# Altium PCB 5607.PcbDoc (part 3 of 6)
Units mm, origin at the board's own origin, x right, y up, seen from the top; angles counter-clockwise.
Board outline 240 x 160 mm, 2 copper layers (TopLayer, BottomLayer), stack 1.6 mm thick; 458 components, 316 nets, 1376 pads, 214 vias.
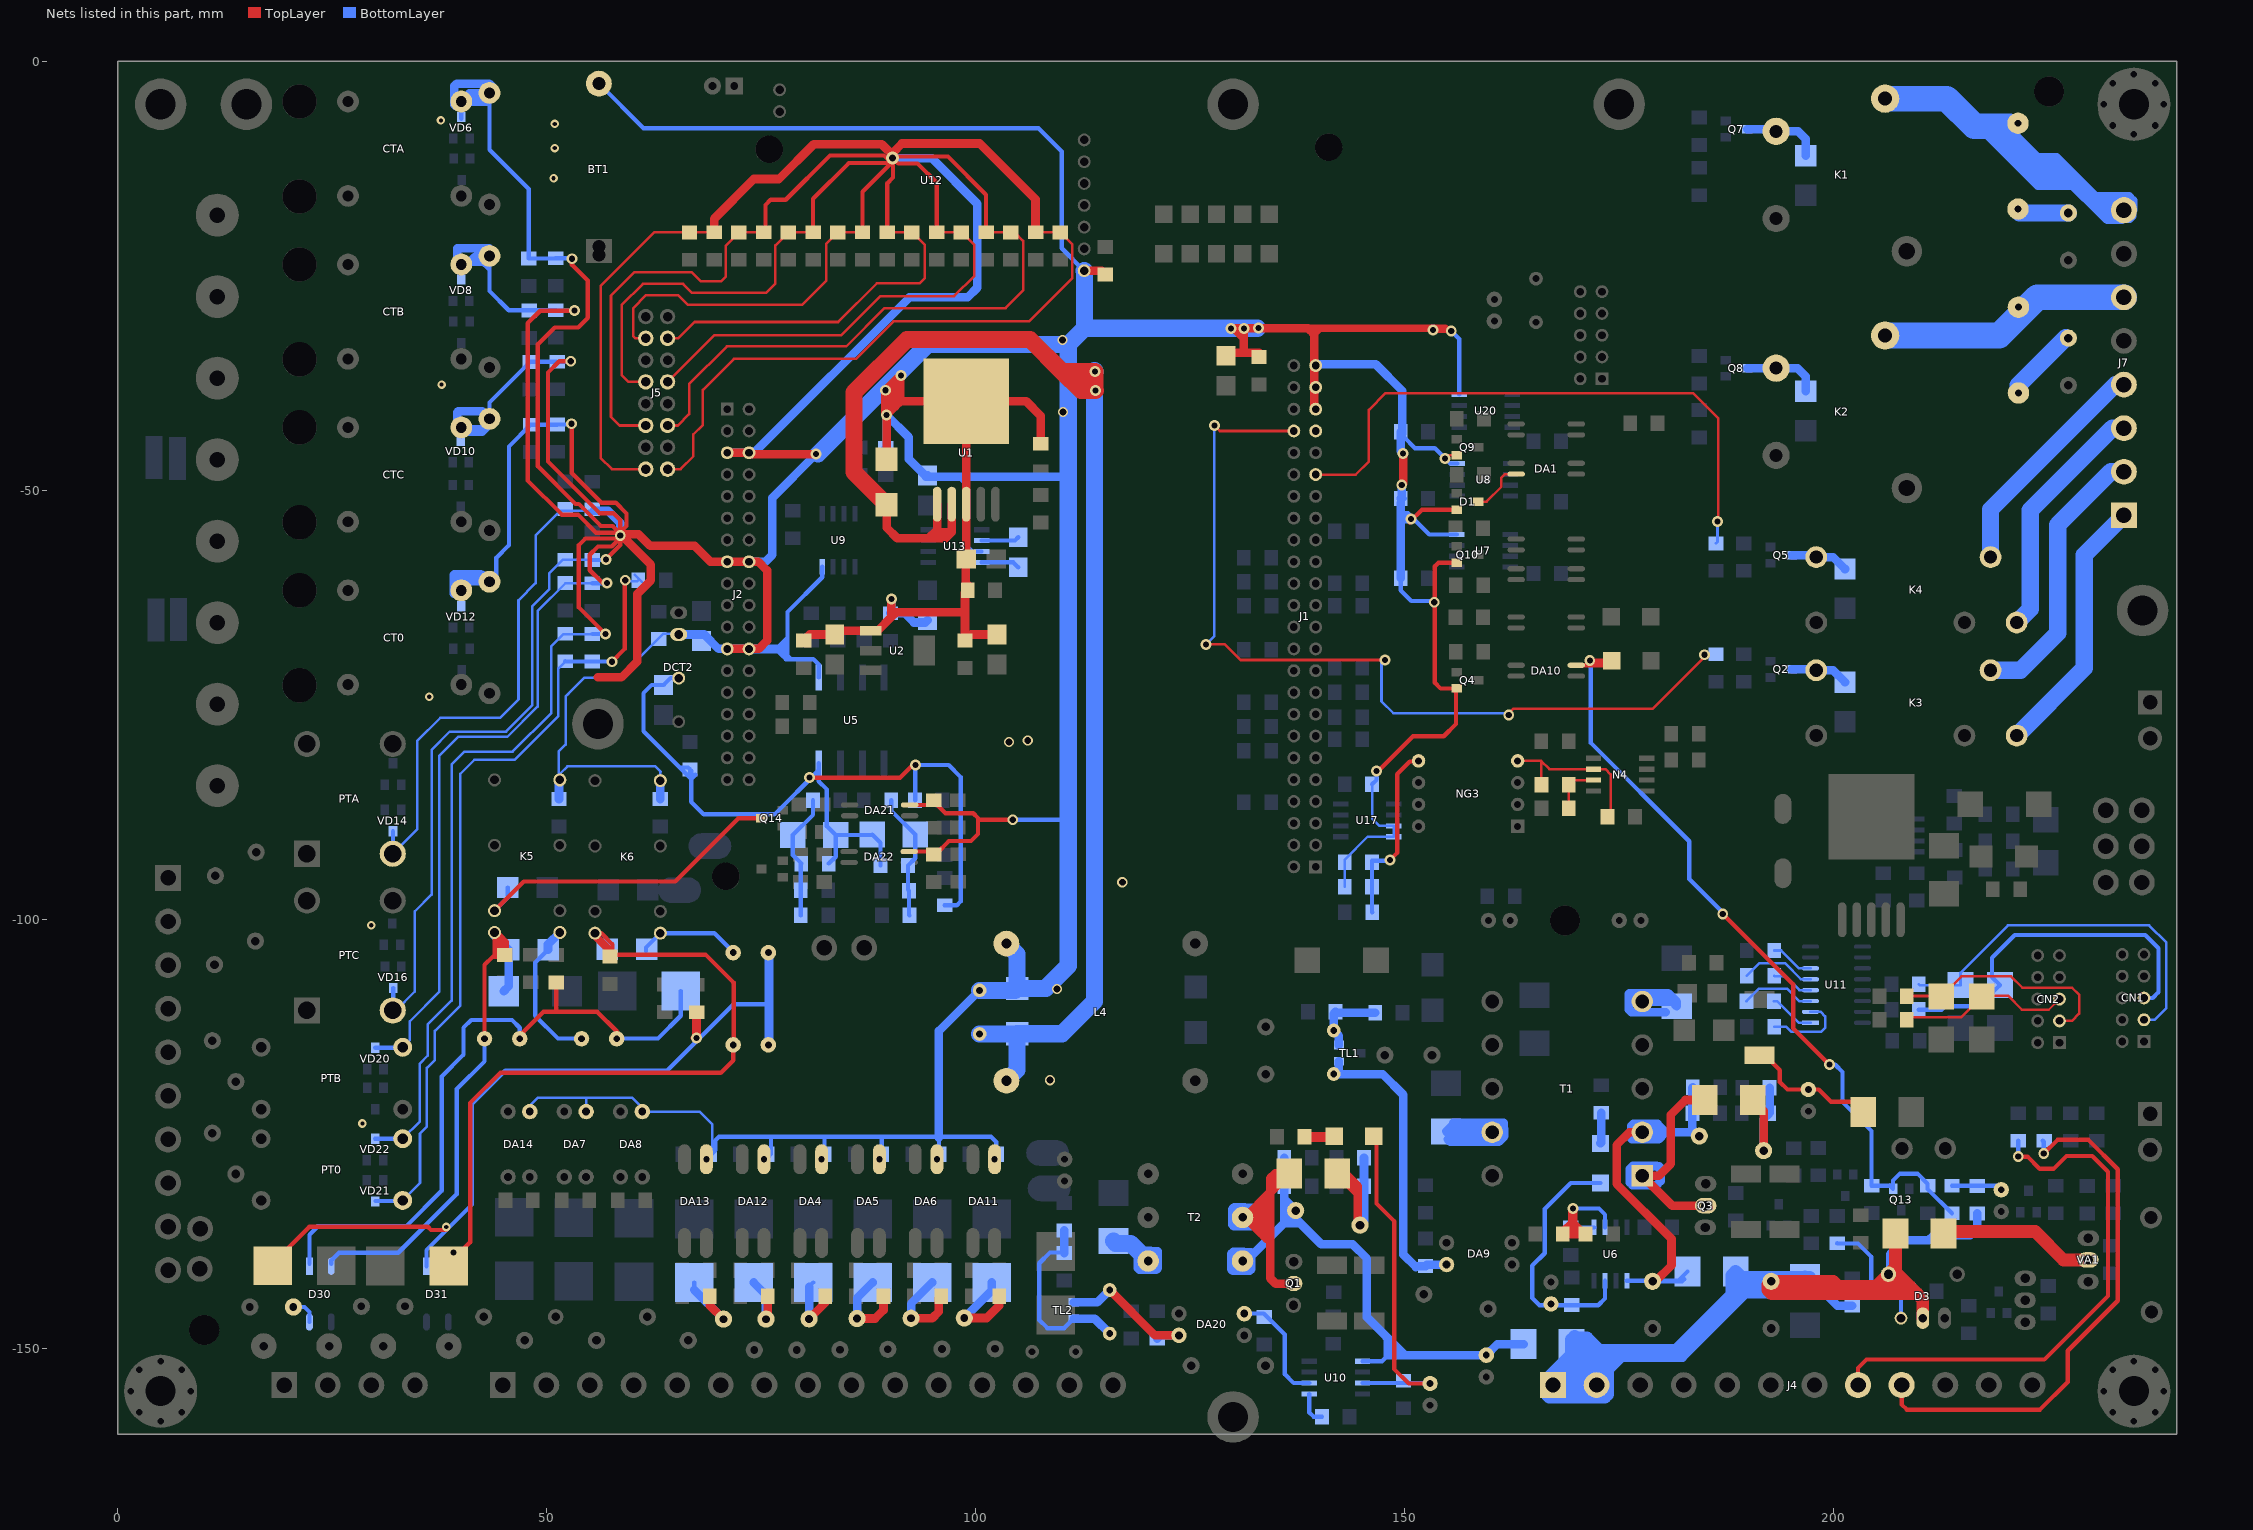
[diagram p3: the nets of this part, all layers, seen from the top]

## Via types
v1: diameter 1.27, hole 0.711, TopLayer to BottomLayer, 195 vias
v2: diameter 1, hole 0.5, TopLayer to BottomLayer, 11 vias
v3: diameter 1.2, hole 0.8, TopLayer to BottomLayer, 7 vias
v4: diameter 1.5, hole 0.8, TopLayer to BottomLayer, 1 vias

## Nets (pads, with @x,y where several pads share a name; then routed paths per layer and width w, separated by ;. In a path a pad name is that pad's centre, name@x,y a point inside that pad or via, vN(x,y) a via of type N, cw(c..) or ccw(c..) an arc to the next point about the centre after c; other vN are vias at no path point) (continued)
GND: BT1.2 C2.1 C3.2 C4.2 C5.1 C9.2 C13.1 C15.1 C16.1 C17.2 C18.2 C22.1 C23.2 C24.1 C25.1 C31.2 C32.1 C33.2 C35.2 C37.2 C38.1 C39.1 C41.2 C43.1 C44.2 C47.2 C49.2 C64.1 C65.2 C66.1 C70.1 C74.2 C75.2 C76.2 C77.2 C86.1 C88.1 C91.1 C95.2 C96.2 C98.2 C99.2 C100.2 C101.2 C102.2 C103.2 C104.2 CT0.2 CTA.2 CTB.2 CTC.2 D1.2 DA4.3 DA5.3 DA6.3 DA7.3 DA8.3 DA11.3 DA12.3 DA13.3 DA14.3 DA21.2 DA22.2 DCT2.1 J1.43 J1.45 J1.47 J2.5 J2.6 J2.15 J2.16 J2.23 J2.24 J5.3 J5.4 J5.7 J5.8 J5.11 J5.12 J5.15 J5.16 K5.8 K6.8 L4.2 PT0.4 PTA.4 PTB.4 PTC.4 Q4.2 Q9.2 Q10.2 R32.1 R43.1 R49.1 R51.1 R94.1 R96.1 R103.1 R107.1 R110.1 R113.1 R114.1 R115.1 R163.1 R172.1 R177.1 R178.1 R179.1 R180.1 R181.1 R182.1 R183.1 U1.3 U2.1 U5.5 U7.4 U8.4 U9.4 U12.1 U13.3 U17.3 U17.4 U20.4 VD6.3 VD8.3 VD10.3 VD12.3 VD14.3 VD16.3 VD20.3 VD22.3 | length 2039.8
  TopLayer w0.3: J5.15@61.544,-47.523 57.607,-47.523 56.29,-46.206 56.29,-26.184 62.56,-19.914 C103.2@69.525,-19.914 ; J5.11@61.544,-42.443 58.496,-42.443 57.49,-41.437 57.49,-27.295 60.198,-24.587 66.929,-24.587 67.996,-25.654 70.307,-25.654 70.875,-25.086 70.875,-21.469 R180.1@72.406,-19.939 75.262,-19.939 C101.2@75.287,-19.914 ; J5.7@61.544,-37.363 59.538,-37.363 58.734,-36.56 58.734,-28.418 61.219,-25.933 65.888,-25.933 66.929,-26.975 75.565,-26.975 76.657,-25.883 76.657,-21.449 R178.1@78.167,-19.939 81.023,-19.939 C99.2@81.048,-19.914 ; J5.3@61.544,-32.283 60.35,-32.283 60.071,-32.004 60.071,-28.778 61.595,-27.254 65.329,-27.254 66.446,-28.372 79.781,-28.372 82.579,-25.574 82.579,-21.264 83.929,-19.914 86.784,-19.914 C31.2@86.809,-19.939 ; J5.16@64.084,-47.523 65.608,-47.523 67.081,-46.05 67.081,-43.485 68.199,-42.367 68.199,-38.278 71.806,-34.671 86.03,-34.671 90.399,-30.302 106.223,-30.302 111.277,-25.248 111.277,-21.361 R183.1@109.855,-19.939 109.83,-19.914 C104.2@106.974,-19.914 ; J5.12@64.084,-42.443 65.278,-42.443 66.599,-41.123 66.599,-37.617 70.993,-33.223 84.912,-33.223 89.383,-28.753 103.48,-28.753 105.537,-26.695 105.537,-20.93 104.521,-19.914 101.238,-19.914 C102.2@101.213,-19.939 ; J5.8@64.084,-37.363 69.545,-31.902 84.353,-31.902 88.9,-27.356 97.485,-27.356 99.847,-24.994 99.847,-21.429 98.332,-19.914 98.307,-19.939 C100.2@95.451,-19.939 ; J5.4@64.084,-32.283 65.329,-32.283 67.234,-30.378 83.972,-30.378 88.468,-25.883 93.447,-25.883 94.082,-25.248 94.082,-21.425 92.571,-19.914 89.715,-19.914 C98.2@89.69,-19.939 ; v1(154.686,-46.304) 155.057,-45.933 Q9.2@156.078,-45.933
  TopLayer w0.5: v1@52.781,-34.976 v1(52.807,-34.95) 51.46,-34.95 50.14,-36.271 50.14,-46.634 56.159,-52.654 57.76,-52.654 58.572,-53.467 58.572,-55.118 58.572,-56.363 v1(56.896,-58.039) ; v1(52.908,-42.24) 52.908,-47.981 56.363,-51.435 58.039,-51.435 59.309,-52.705 59.309,-54.153 v1@58.699,-54.762 ; v1(52.934,-23.012) 52.934,-23.698 54.788,-25.552 54.788,-29.896 53.67,-31.013 50.927,-31.013 48.971,-32.969 48.971,-47.193 53.365,-51.587 53.746,-51.587 56.312,-54.153 57.683,-54.153 58.217,-54.686 58.217,-54.94 55.753,-54.94 53.645,-52.832 51.765,-52.832 47.777,-48.844 47.777,-30.531 49.251,-29.058 v1(53.238,-29.058) ; v1(56.845,-66.751) 53.746,-63.652 53.746,-56.363 54.508,-55.601 v1@58.293,-55.601 ; v1(57.023,-60.808) 56.972,-60.757 56.464,-60.757 55.016,-59.309 55.016,-57.506 55.982,-56.54 57.582,-56.54 58.75,-55.372 v1@58.75,-54.991 ; C101.2@75.287,-19.914 75.489,-19.712 75.489,-16.739 76.098,-16.129 77.851,-16.129 83.007,-10.973 89.306,-10.973 90.17,-11.836 85.217,-11.836 81.048,-16.005 C99.2@81.048,-19.914 ; C31.2@86.809,-19.914 86.809,-15.197 v4@90.373,-11.633 ; C98.2@89.69,-19.914 89.69,-14.221 90.373,-13.538 v4@90.373,-11.633 ; v4@90.335,-11.265 v4@90.348,-11.278 ; v4@90.399,-11.633 v4@90.373,-11.633 ; DA22.2@92.248,-92.1 94.742,-92.1 R172.1@95.098,-92.456 ; DA21.2@92.298,-86.665 94.488,-86.665 94.488,-86.004 95.098,-86.614 95.453,-86.614 96.469,-87.63 99.72,-87.63 100.279,-88.189 100.279,-90.043 99.441,-90.881 96.876,-90.881 R172.1@95.453,-92.304 ; C100.2@95.451,-19.914 95.451,-14.146 93.218,-11.913 90.957,-11.913 v4(90.322,-11.278) v4@90.348,-11.278 ; 100.33,-88.392 v1(104.318,-88.392) ; C102.2@101.213,-19.914 101.213,-15.539 96.774,-11.1 90.526,-11.1 v4@90.348,-11.278 ; J1.47@139.624,-35.46 139.624,-31.877 140.183,-31.318 ; v1(146.71,-82.728) 146.914,-82.728 150.978,-78.664 154.559,-78.664 155.981,-77.241 155.981,-73.528 Q4.2@155.808,-73.355 ; v1@150.558,-53.708 152.009,-52.258 D1.2@156.078,-52.258 ; Q4.2@156.078,-73.086 154.188,-73.086 153.518,-72.415 153.518,-58.852 153.939,-58.43 Q10.2@156.078,-58.43 ; v4@90.348,-11.278 90.373,-11.303 v4@90.373,-11.633 ; 140.183,-31.318 138.963,-31.318 138.125,-31.318 137.922,-31.115 138.125,-30.912 154.788,-30.912 v1@155.194,-31.318 ; 140.183,-31.318 v1(153.289,-31.318) ; v1(153.289,-31.318) 153.391,-31.42 v1@155.296,-31.42 ; v1(153.289,-31.318) v1@155.194,-31.318 ; v1@155.194,-31.318 v1@155.296,-31.42 ; v1@155.194,-31.318 155.321,-31.318 v1(155.423,-31.42) v1@155.296,-31.42
  TopLayer w1: 55.931,-71.802 58.703,-71.802 60.554,-69.952 60.554,-62.078 62.128,-60.503 62.128,-58.649 v1@58.75,-55.27 ; v1@58.572,-55.118 60.706,-55.118 62.052,-56.464 67.234,-56.464 69.09,-58.32 J2.15@71.044,-58.32 J2.16@73.584,-58.32 74.678,-58.32 75.692,-59.334 75.692,-67.513 74.725,-68.48 J2.24@73.584,-68.48 J2.23@71.044,-68.48 ; C103.2@69.525,-19.914 69.525,-18.333 74.143,-13.716 77.064,-13.716 81.128,-9.652 89.052,-9.652 v4@90.5,-11.1 ; J2.5@71.044,-45.62 J2.6@73.584,-45.62 73.735,-45.771 v1(81.382,-45.771) ; C35.2@79.934,-67.513 80.643,-66.805 C18.2@83.566,-66.805 83.817,-66.805 84.24,-66.382 U2.1@87.781,-66.382 88.558,-66.382 90.17,-64.77 ; C95.2@89.611,-46.372 v1(89.611,-41.224) ; v1(90.17,-62.687) 90.17,-64.77 ; v4(90.322,-11.278) 90.322,-10.668 91.415,-9.576 100.482,-9.576 106.974,-16.068 C104.2@106.974,-19.914 ; 90.602,-38.049 90.602,-39.345 ; v1@91.084,-36.855 90.957,-36.855 89.98,-37.833 ; v1(91.288,-36.601) 91.223,-36.666 91.223,-38.724 ; C24.1@99.06,-61.646 98.755,-61.951 98.755,-64.186 ; C24.1@99.06,-61.036 98.859,-60.835 98.859,-57.226 98.904,-57.182 U1.3@98.904,-51.613 98.904,-39.616 U1.3@98.908,-39.613 ; C96.2@102.489,-66.805 99.464,-66.805 C23.2@98.755,-67.513 98.755,-64.186 ; R51.1@107.594,-44.577 107.594,-41.326 105.881,-39.613 U1.3@98.908,-39.613 ; U12.1@112.644,-24.399 114.671,-24.399 C32.1@115.113,-24.841 ; C33.2@128.877,-34.036 C33.2@129.159,-34.318 129.517,-33.96 131.267,-33.96 ; v1(129.769,-31.115) v1@130.099,-31.115 ; C70.1@133.045,-33.96 131.267,-33.96 ; J1.43@139.624,-40.54 139.471,-40.388 139.471,-31.826 138.963,-31.318 138.76,-31.115 137.922,-31.115 v1(131.267,-31.115) ; v1(149.657,-49.378) 149.809,-49.225 v1(149.809,-45.72) ; v1(89.611,-41.224) 89.484,-41.097 v1(89.484,-38.329) 89.98,-37.833 ; v1(89.611,-41.224) 90.602,-40.234 ; 89.98,-37.833 89.98,-39.611 90.157,-39.789 ; 90.157,-39.789 90.208,-39.789 90.602,-39.395 90.602,-39.345 ; 90.157,-39.789 90.602,-40.234 ; 90.157,-39.789 90.602,-39.345 ; 90.17,-64.77 90.729,-64.211 98.73,-64.211 98.755,-64.186 ; 90.602,-40.234 91.223,-39.613 ; 90.602,-39.345 91.223,-38.724 ; 91.223,-39.613 U1.3@98.908,-39.613 ; 91.223,-39.613 91.223,-38.724 ; v1@130.099,-31.115 v1(131.267,-31.115) ; v1@130.099,-31.115 131.267,-32.283 ; 131.267,-33.96 131.267,-32.283 ; 131.267,-32.283 v1(131.267,-31.115)
  BottomLayer w0.3: PTA.4@32.055,-92.353 32.08,-92.327 34.887,-89.521 34.887,-79.221 37.591,-76.517 44.553,-76.517 46.711,-74.359 46.711,-62.828 48.717,-60.821 48.717,-55.27 51.62,-52.368 55.118,-52.368 C74.2@55.296,-52.19 C74.2@55.506,-52.4 ; PTC.4@32.106,-110.565 PTC.4@32.055,-110.615 32.437,-110.615 34.62,-108.433 34.62,-99.085 36.576,-97.129 36.576,-80.238 38.697,-78.117 45.264,-78.117 48.311,-75.071 48.311,-63.525 50.317,-61.519 50.317,-59.639 51.846,-58.11 C75.2@55.296,-58.11 ; PT0.4@33.207,-125.572 PT0.4@33.213,-125.566 35.204,-123.575 35.204,-116.826 36.131,-115.899 36.131,-112.255 38.913,-109.474 38.913,-81.966 40.413,-80.466 46.038,-80.466 50.517,-75.986 50.517,-68.202 51.969,-66.751 C77.2@55.296,-66.751 ; PTB.4@33.213,-114.923 34.036,-114.1 34.036,-111.887 37.49,-108.433 37.49,-80.924 39.675,-78.74 45.401,-78.74 48.946,-75.196 48.946,-64.059 52.174,-60.831 C76.2@55.296,-60.831 ; DA14.3@48.037,-122.256 48.037,-121.711 48.971,-120.777 54.585,-120.777 ; DA7.3@54.59,-122.409 54.585,-122.403 54.585,-120.777 ; K6.8@63.246,-83.829 63.246,-82.804 63.271,-82.779 62.662,-82.169 52.4,-82.169 51.537,-83.033 K5.8@51.537,-83.753 51.384,-83.601 51.384,-80.442 52.197,-79.629 52.197,-74.041 52.502,-73.736 52.502,-73.727 54.397,-71.831 58.471,-71.831 63.602,-66.7 65.278,-66.7 DCT2.1@65.38,-66.802 ; C38.1@69.037,-127.33 69.291,-127.076 69.291,-123.876 67.824,-122.409 DA8.3@61.144,-122.409 61.144,-121.999 59.922,-120.777 54.585,-120.777 ; C37.2@143.027,-96.19 143.027,-93.192 143.002,-93.167 143.002,-93.065 145.694,-90.373 U17.4@148.744,-90.373 U17.3@148.744,-89.103 147.041,-89.103 146.202,-88.265 C16.1@146.202,-84.252 ; C43.1@149.428,-43.104 149.53,-43.205 C43.1@149.733,-43.408
  BottomLayer w0.5: VD22.3@29.997,-125.572 PT0.4@33.207,-125.572 ; VD20.3@30.023,-114.98 33.156,-114.98 PTB.4@33.213,-114.923 ; PTA.4@32.08,-92.327 VD14.3@32.08,-89.744 ; PTC.4@32.106,-110.565 VD16.3@32.106,-108.006 ; 39.192,-60.147 39.548,-59.792 39.573,-59.766 42.44,-59.766 42.847,-60.173 CT0.2@43.326,-60.652 ; CT0.2@40.043,-61.652 40.863,-60.833 43.146,-60.833 CT0.2@43.326,-60.652 ; CTC.2@40.043,-42.661 42.326,-42.661 CTC.2@43.326,-41.661 43.326,-39.757 48.06,-35.023 C47.2@51.206,-35.023 52.734,-35.023 v1(52.807,-34.95) ; CTA.2@40.043,-4.68 40.043,-6.688 VD6.3@40.056,-6.7 ; CTB.2@42.316,-23.317 42.367,-23.368 43.326,-24.327 ; CTB.2@43.326,-22.671 43.326,-24.327 ; CTA.2@43.326,-3.68 43.326,-3.734 43.326,-4.375 43.326,-10.306 47.904,-14.884 R94.1@47.904,-22.987 51.004,-22.987 C41.2@51.029,-22.962 52.883,-22.962 v1(52.934,-23.012) ; v1(52.908,-42.24) 52.832,-42.317 C65.2@51.257,-42.317 51.232,-42.342 R107.1@48.133,-42.342 45.593,-44.882 45.593,-56.388 44.112,-57.869 44.112,-59.866 CT0.2@43.326,-60.652 ; v1(53.238,-29.058) 51.119,-29.058 C44.2@51.079,-29.018 45.579,-29.018 43.326,-26.766 43.326,-24.327 ; C77.2@55.296,-66.751 v1(56.845,-66.751) ; C76.2@55.296,-60.831 56.975,-60.831 57.048,-60.757 57.048,-60.782 v1(57.023,-60.808) ; C75.2@55.296,-58.11 56.764,-58.11 56.769,-58.115 56.845,-58.039 v1(56.896,-58.039) ; BT1.2@56.083,-2.59 61.291,-7.798 107.315,-7.798 110.033,-10.516 110.033,-21.793 112.639,-24.399 U12.1@112.644,-24.399 ; v1(68.605,-127.962) 69.647,-126.921 69.647,-126.898 69.672,-126.873 69.672,-125.755 70.079,-125.349 76.276,-125.349 ; J2.24@73.457,-68.504 73.481,-68.48 73.558,-68.402 J2.24@73.662,-68.402 ; v1(75.326,-127.962) 75.543,-127.962 76.149,-127.356 76.149,-125.476 76.276,-125.349 ; U5.5@81.712,-71.81 81.712,-70.307 81.077,-69.672 78.486,-69.672 ; v1(82.047,-127.962) 82.377,-127.632 82.377,-127.33 82.377,-125.446 82.474,-125.349 ; U9.4@82.118,-58.904 82.118,-60.122 78.054,-64.186 78.054,-67.183 ; v1(88.768,-127.962) 89.047,-127.683 89.047,-127.33 89.047,-125.354 89.052,-125.349 ; C15.1@95.717,-127.33 95.717,-125.441 95.809,-125.349 ; 97.993,-48.412 98.984,-49.403 98.984,-56.49 99.619,-57.125 U13.3@100.687,-57.125 ; v1(102.21,-127.962) 102.387,-127.784 102.387,-127.33 102.387,-125.958 101.778,-125.349 95.809,-125.349 ; v1(104.318,-88.392) 110.769,-88.392 110.795,-88.367 ; C16.1@146.202,-84.252 146.71,-83.744 v1(146.71,-82.728) ; C64.1@149.53,-60.249 149.53,-61.646 150.775,-62.89 153.289,-62.89 v1(153.441,-63.043) ; 149.53,-52.68 150.393,-52.68 152.857,-55.143 U7.4@156.082,-55.143 ; C66.1@149.53,-51.46 C66.1@150.038,-50.952 ; C43.1@149.86,-43.739 151.206,-45.085 153.518,-45.085 155.296,-46.863 U8.4@156.133,-46.863 ; U20.4@156.361,-38.837 156.361,-32.358 v1(155.423,-31.42) ; J2.24@73.662,-68.402 J2.24@73.584,-68.48 73.862,-68.758 76.962,-68.758 ; J2.24@73.662,-68.402 73.865,-68.199 77.038,-68.199 ; J2.24@73.662,-68.402 76.606,-68.402 ; 76.276,-125.349 82.474,-125.349 ; 76.606,-68.402 76.835,-68.402 77.038,-68.199 ; 76.606,-68.402 76.962,-68.758 ; 76.962,-68.758 77.191,-68.986 ; 77.038,-68.199 77.191,-68.047 ; 77.191,-68.986 77.191,-68.047 ; 77.191,-68.986 77.419,-69.215 ; 77.191,-68.047 77.419,-67.818 ; 77.419,-69.215 77.419,-67.818 ; 77.419,-69.215 77.876,-69.672 78.156,-69.672 ; 77.419,-67.818 77.711,-67.526 ; 77.711,-67.526 77.711,-69.228 78.156,-69.672 ; 77.711,-67.526 78.054,-67.183 ; 78.054,-67.183 78.054,-69.24 78.486,-69.672 ; 78.156,-69.672 78.486,-69.672 ; 82.474,-125.349 89.052,-125.349 ; 89.052,-125.349 95.717,-125.349 95.809,-125.349 ; v1(155.423,-31.42) 153.391,-31.42 v1(153.289,-31.318) 155.321,-31.318 v1(155.423,-31.42)
  BottomLayer w1: CTA.2@39.37,-5.156 39.243,-5.029 39.243,-2.87 39.522,-2.591 43.307,-2.591 43.663,-2.946 43.663,-4.039 43.326,-4.375 43.021,-4.68 CTA.2@40.043,-4.68 40.99,-3.734 43.326,-3.734 CTA.2@43.586,-3.734 ; CT0.2@39.421,-62.103 39.345,-62.027 39.167,-62.027 39.192,-62.001 39.192,-60.147 ; CTB.2@40.043,-23.671 40.769,-23.671 CTB.2@41.072,-23.368 ; 41.885,-60.579 41.453,-60.147 39.37,-60.147 ; CTB.2@42.672,-23.368 42.367,-23.368 CTB.2@41.072,-23.368 ; CT0.2@42.875,-60.274 CT0.2@42.774,-60.173 ; CTB.2@43.205,-22.758 41.681,-22.758 CTB.2@41.072,-23.368 ; CTC.2@43.231,-42.418 42.469,-43.18 39.624,-43.18 39.624,-42.291 39.573,-42.24 39.573,-40.919 39.7,-40.792 42.457,-40.792 CTC.2@43.326,-41.661 ; CT0.2@43.282,-60.173 42.847,-60.173 CT0.2@42.774,-60.173 ; CTB.2@43.326,-22.671 43.326,-21.85 43.332,-21.844 43.282,-21.793 39.573,-21.793 39.573,-23.216 39.421,-23.368 CTB.2@41.072,-23.368 ; C88.1@51.435,-85.979 51.435,-83.855 K5.8@51.537,-83.753 ; C74.2@55.506,-52.4 57.175,-52.4 58.572,-53.797 v1(58.572,-55.27) ; C91.1@63.246,-85.979 K6.8@63.246,-83.829 ; DCT2.1@65.38,-66.802 68.351,-66.802 70.029,-68.48 J2.23@71.044,-68.48 73.481,-68.48 J2.24@73.584,-68.48 ; J2.5@71.044,-45.62 J2.6@73.584,-45.62 74.166,-45.62 92.278,-27.508 99.06,-27.508 100.178,-26.391 100.178,-16.586 94.869,-11.278 v4(90.322,-11.278) ; J2.16@73.584,-58.32 75.487,-58.32 76.276,-57.531 76.276,-50.876 v1(81.382,-45.771) v1@81.632,-45.771 ; v1@89.279,-38.124 v1(89.484,-38.329) 89.611,-38.456 v1(89.611,-41.224) ; R32.1@89.51,-45.034 89.611,-44.932 v1(89.611,-41.224) ; v1(90.17,-62.687) 90.17,-64.236 C39.1@90.068,-64.338 91.745,-64.338 92.812,-65.405 94.13,-65.405 C2.1@94.386,-65.148 ; C4.2@94.183,-48.412 97.993,-48.412 110.541,-48.412 110.795,-48.158 ; C4.2@94.386,-48.263 94.11,-48.263 92.202,-46.355 92.202,-43.815 v1(89.611,-41.224) ; 95.717,-125.441 95.717,-125.349 95.717,-113.02 C9.2@100.457,-108.28 ; J1.47@139.624,-35.306 146.634,-35.306 149.733,-38.405 C43.1@149.733,-43.408 ; C64.1@149.53,-60.249 149.53,-59.309 149.53,-52.68 ; C66.1@149.53,-51.46 149.53,-52.68 ; C66.1@149.53,-50.952 149.657,-50.826 v1(149.657,-49.378) ; C43.1@149.53,-43.18 149.53,-43.205 149.53,-45.441 v1(149.809,-45.72) ; v1(150.724,-53.34) 150.19,-53.34 149.53,-52.68 ; 39.192,-60.147 39.37,-60.147 ; 39.192,-60.147 39.192,-59.842 39.243,-59.792 39.548,-59.792 42.316,-59.792 CT0.2@42.393,-59.868 ; 39.37,-60.147 39.649,-59.868 CT0.2@42.393,-59.868 ; CT0.2@42.393,-59.868 42.697,-60.173 CT0.2@42.774,-60.173 ; CT0.2@42.393,-59.868 42.469,-59.868 CT0.2@42.774,-60.173
  BottomLayer w2: v1@81.632,-45.771 89.279,-38.124 94.408,-32.995 110.795,-32.995 ; C9.2@100.457,-108.28 104.589,-108.28 C49.2@104.826,-108.043 ; L4.2@103.579,-102.82 104.826,-104.067 C49.2@104.826,-108.043 ; U12.1@112.644,-24.399 112.674,-24.429 112.674,-31.115 ; v1@132.842,-31.115 v1(131.267,-31.115) v1(129.769,-31.115) 112.674,-31.115 ; C49.2@104.826,-108.043 108.162,-108.043 110.795,-105.41 110.795,-88.367 110.795,-48.158 110.795,-32.995 ; 110.795,-32.995 112.674,-31.115
  other v1: 95.489,-127.962 132.969,-31.09
  other v2: 28.524,-123.8 29.566,-100.686 36.322,-74.066 37.744,-37.668 50.797,-13.614 50.927,-10.109 50.952,-7.29 37.668,-6.883
  other v3: 108.661,-118.745 109.474,-108.128 117.094,-95.682 103.886,-79.324 106.07,-79.146 110.185,-40.869 110.109,-32.487
GND_EPT: C6.2 C7.1 C20.2 C28.2 C40.2 D9.1 D10.1 DCT2.3 R57.2 U5.4 | length 102.1
  TopLayer w0.5: v1(80.62,-83.49) 91.186,-83.49 92.659,-82.017 v1(92.964,-82.017)
  BottomLayer w0.5: DCT2.3@65.38,-71.882 64.442,-71.882 C6.2@63.627,-72.697 62.227,-72.697 61.29,-73.635 61.29,-78.08 65.507,-82.296 ; C7.1@67.31,-83.16 66.853,-83.617 ; U5.4@81.712,-81.81 U5.4@81.712,-82.62 ; C40.2@82.88,-93.497 83.678,-92.699 D10.1@83.678,-90.17 ; C20.2@88.9,-93.726 88.9,-91.07 D9.1@87.949,-90.119 87.899,-90.17 D10.1@83.678,-90.17 ; C28.2@92.939,-86.106 92.939,-82.042 v1(92.964,-82.017) 96.85,-82.017 98.247,-83.414 98.247,-97.917 97.79,-98.374 R57.2@96.368,-98.374 ; 65.507,-82.296 66.472,-82.296 C7.1@66.7,-82.524 ; 65.507,-82.296 66.7,-83.49 ; 66.7,-83.49 C7.1@66.7,-82.524 ; 66.7,-83.49 66.853,-83.642 ; C7.1@66.7,-82.524 66.853,-82.677 66.853,-83.617 ; 66.853,-83.642 66.853,-86.309 68.313,-87.77 76.563,-87.77 U5.4@81.712,-82.62 ; 66.853,-83.642 66.853,-83.617 ; U5.4@81.712,-82.62 81.712,-83.922 82.652,-84.861 82.652,-89.143 D10.1@83.678,-90.17
HHQ: J4.8 R2.1 | length 63.4
  TopLayer w0.5: J4.8@202.844,-154.28 202.844,-152.298 203.835,-151.308 224.561,-151.308 231.978,-143.891 231.978,-129.413 230.149,-127.584 227.127,-127.584 225.628,-129.083 224.028,-129.083 222.606,-127.66 v1(221.513,-127.66)
  BottomLayer w0.5: v1(221.513,-127.66) 221.437,-127.584 221.437,-127.559 221.513,-127.483 R2.1@221.513,-125.806
HHT: J4.9 R4.1 | length 62.7
  TopLayer w0.5: J4.9@207.924,-154.28 207.924,-156.54 208.534,-157.15 224.053,-157.15 227.279,-153.924 227.279,-150.292 233.121,-144.45 233.121,-129.134 229.692,-125.705 226.085,-125.705 v1(224.485,-127.305)
  BottomLayer w0.5: R4.1@224.384,-125.806 224.485,-125.908 v1(224.485,-127.305)
ICEFB: C59.2 R71.1 U6.2 | length 19.4
  TopLayer w0.5: v1(169.621,-133.706) 169.659,-133.744 169.672,-133.756 169.672,-135.458 169.672,-136.677
  TopLayer w1: R71.1@168.402,-136.754 168.402,-136.474 169.545,-135.331 ; R71.1@168.427,-136.677 R71.1@168.808,-136.677 ; v1(169.621,-133.706) v1@169.621,-133.782 ; v1@169.672,-133.731 169.659,-133.744 v1@169.621,-133.782 ; C59.2@170.485,-136.347 170.485,-136.271 169.672,-135.458 169.621,-135.407 v1@169.621,-133.782 ; C59.2@171.069,-136.677 169.672,-136.677 R71.1@168.808,-136.677 ; R71.1@168.808,-136.677 169.545,-135.941 169.545,-135.331 ; 169.545,-135.331 169.545,-133.858 v1@169.621,-133.782
  BottomLayer w0.5: v1(169.621,-133.706) 172.644,-133.706 173.355,-134.417 U6.2@173.355,-135.914
ICEFB_YX: C83.2 DA20.4 U10.2 | length 13.5
  BottomLayer w0.5: DA20.4@131.49,-145.954 133.573,-145.954 136.017,-148.398 136.017,-153.01 137.058,-154.051 U10.2@138.886,-154.051
K4: J7.4 K4.1 | length 27.1
  BottomLayer w2: K4.1@218.288,-57.785 218.288,-52.222 232.842,-37.668 J7.4@233.832,-37.668
K4N: J7.3 K4.3 | length 28.6
  BottomLayer w2: K4.3@221.336,-65.405 222.91,-63.83 222.91,-52.324 232.486,-42.748 J7.3@233.832,-42.748
K5: J7.2 K3.1 | length 32.5
  BottomLayer w2: K3.1@218.288,-70.968 221.767,-70.968 226.111,-66.624 226.111,-54.026 232.308,-47.828 J7.2@233.832,-47.828
K5N: J7.1 K3.3 | length 30.9
  BottomLayer w2: K3.3@221.336,-78.588 229.21,-70.714 229.21,-57.531 J7.1@233.832,-52.908
LOAD: C46.1 D3.2 D3.5 D5.1 D6.2 D7.1 D33.1 J4.1 J4.2 R7.2 R17.2 | length 220.6
  TopLayer w1.5: D6.2@207.207,-136.601 207.207,-140.532 ; D3.2@210.388,-146.482 210.388,-144.297 209.702,-143.612 ; 192.329,-143.205 192.735,-143.612 209.702,-143.612 ; 192.329,-143.205 192.71,-142.824 C46.1@192.71,-142.189 ; 192.329,-143.205 192.329,-142.57 C46.1@192.71,-142.189 ; C46.1@192.71,-142.189 193.319,-142.799 200.533,-142.799 ; C46.1@192.71,-142.189 199.923,-142.189 200.533,-142.799 ; 200.533,-142.799 204.94,-142.799 ; 204.94,-142.799 D3.5@206.388,-141.351 207.207,-140.532 ; 204.94,-142.799 207.442,-142.799 ; D3.5@207.207,-141.116 208.89,-142.799 ; D3.5@207.207,-141.116 207.207,-140.532 ; D3.5@207.207,-141.116 207.207,-142.564 207.442,-142.799 ; 207.442,-142.799 208.89,-142.799 ; 208.89,-142.799 209.702,-143.612